# Altium PCB BMS_BoardHardware_V2.PcbDoc
Units mm, origin at the board's own origin, x right, y up, seen from the top; angles counter-clockwise.
Board outline 100 x 65.6 mm, 4 copper layers (Top Layer, Internal Plane 1, Internal Plane 2, Bottom Layer), stack 0.462 mm thick; 60 components, 42 nets, 229 pads, 25 vias.
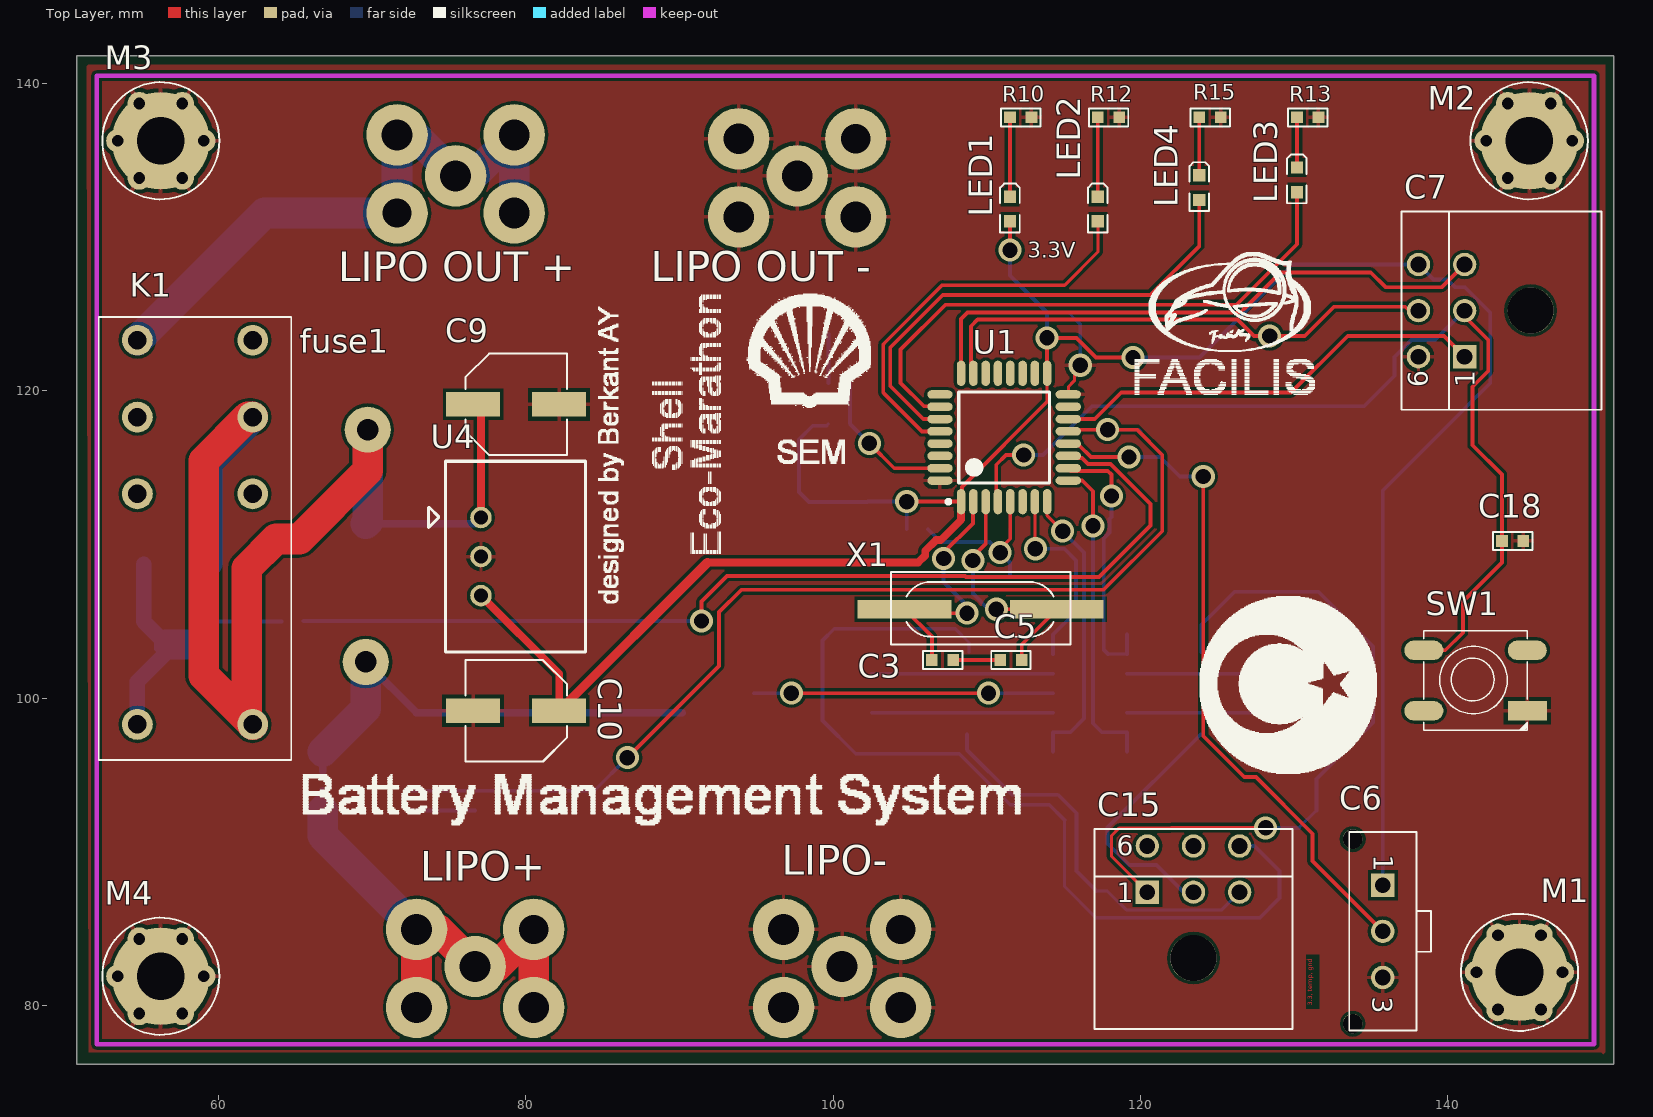
[diagram p0: Top Layer view]
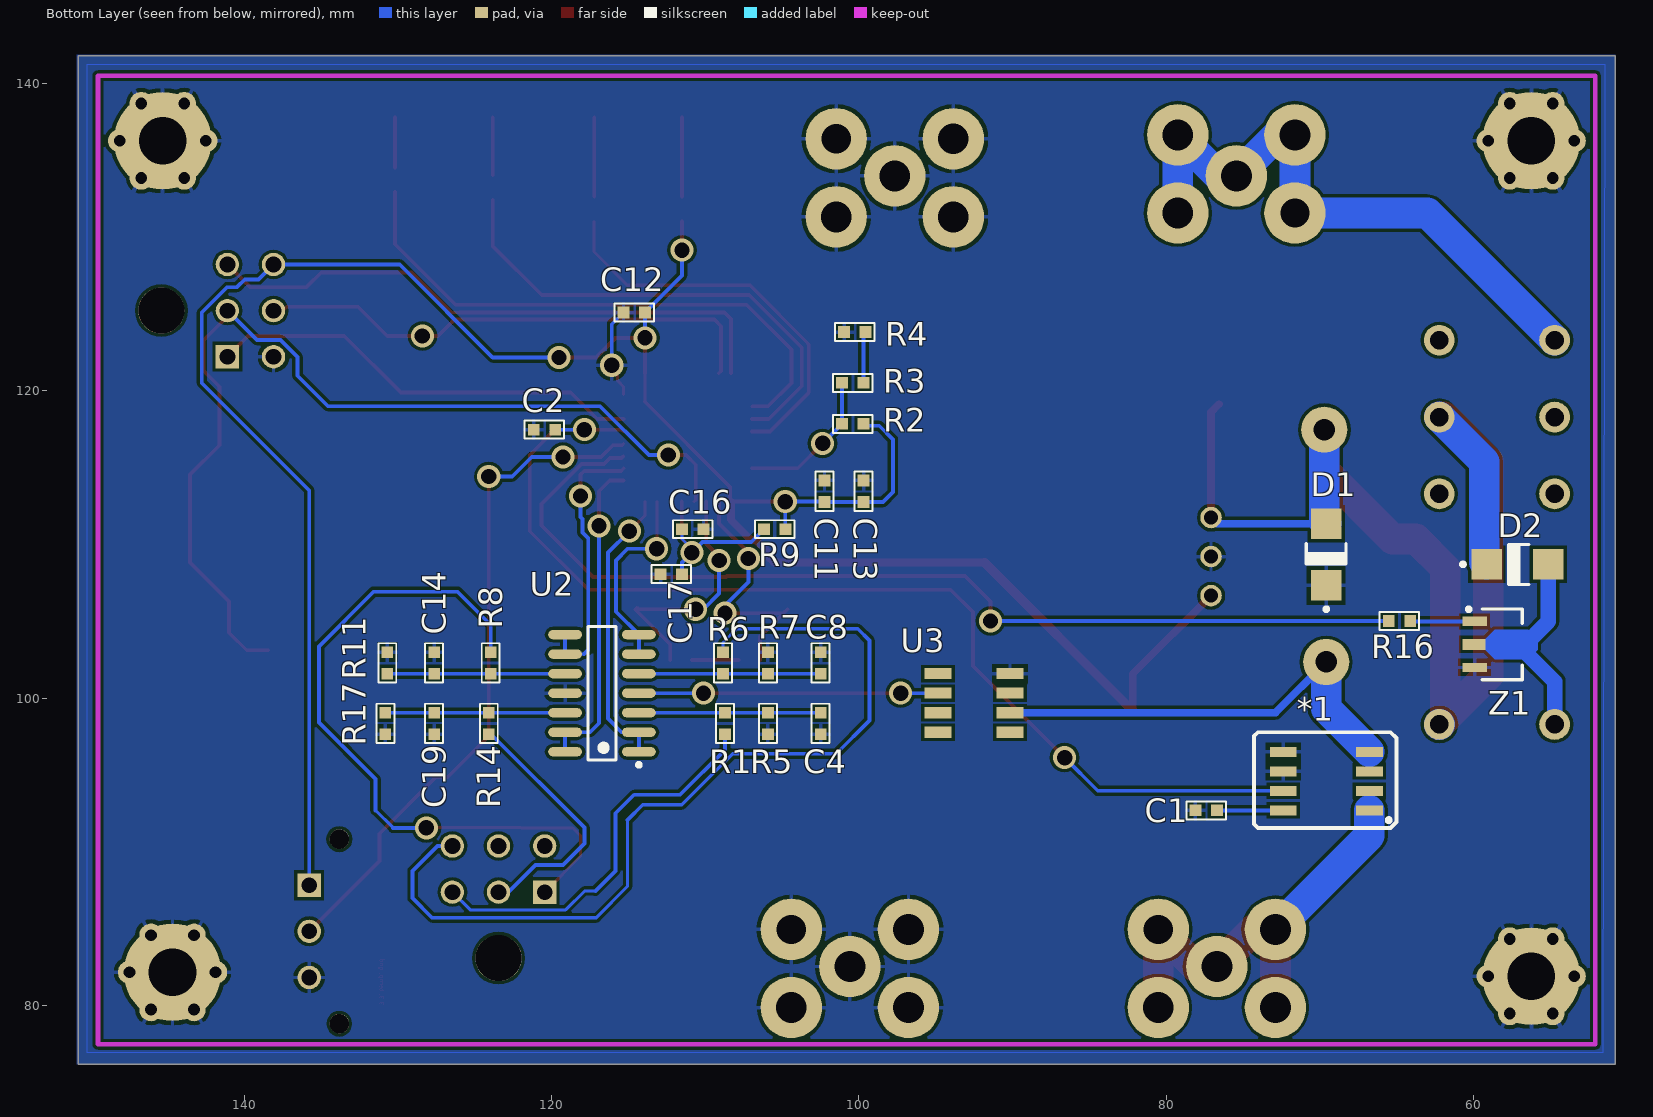
[diagram p1: Bottom Layer view, seen from below]
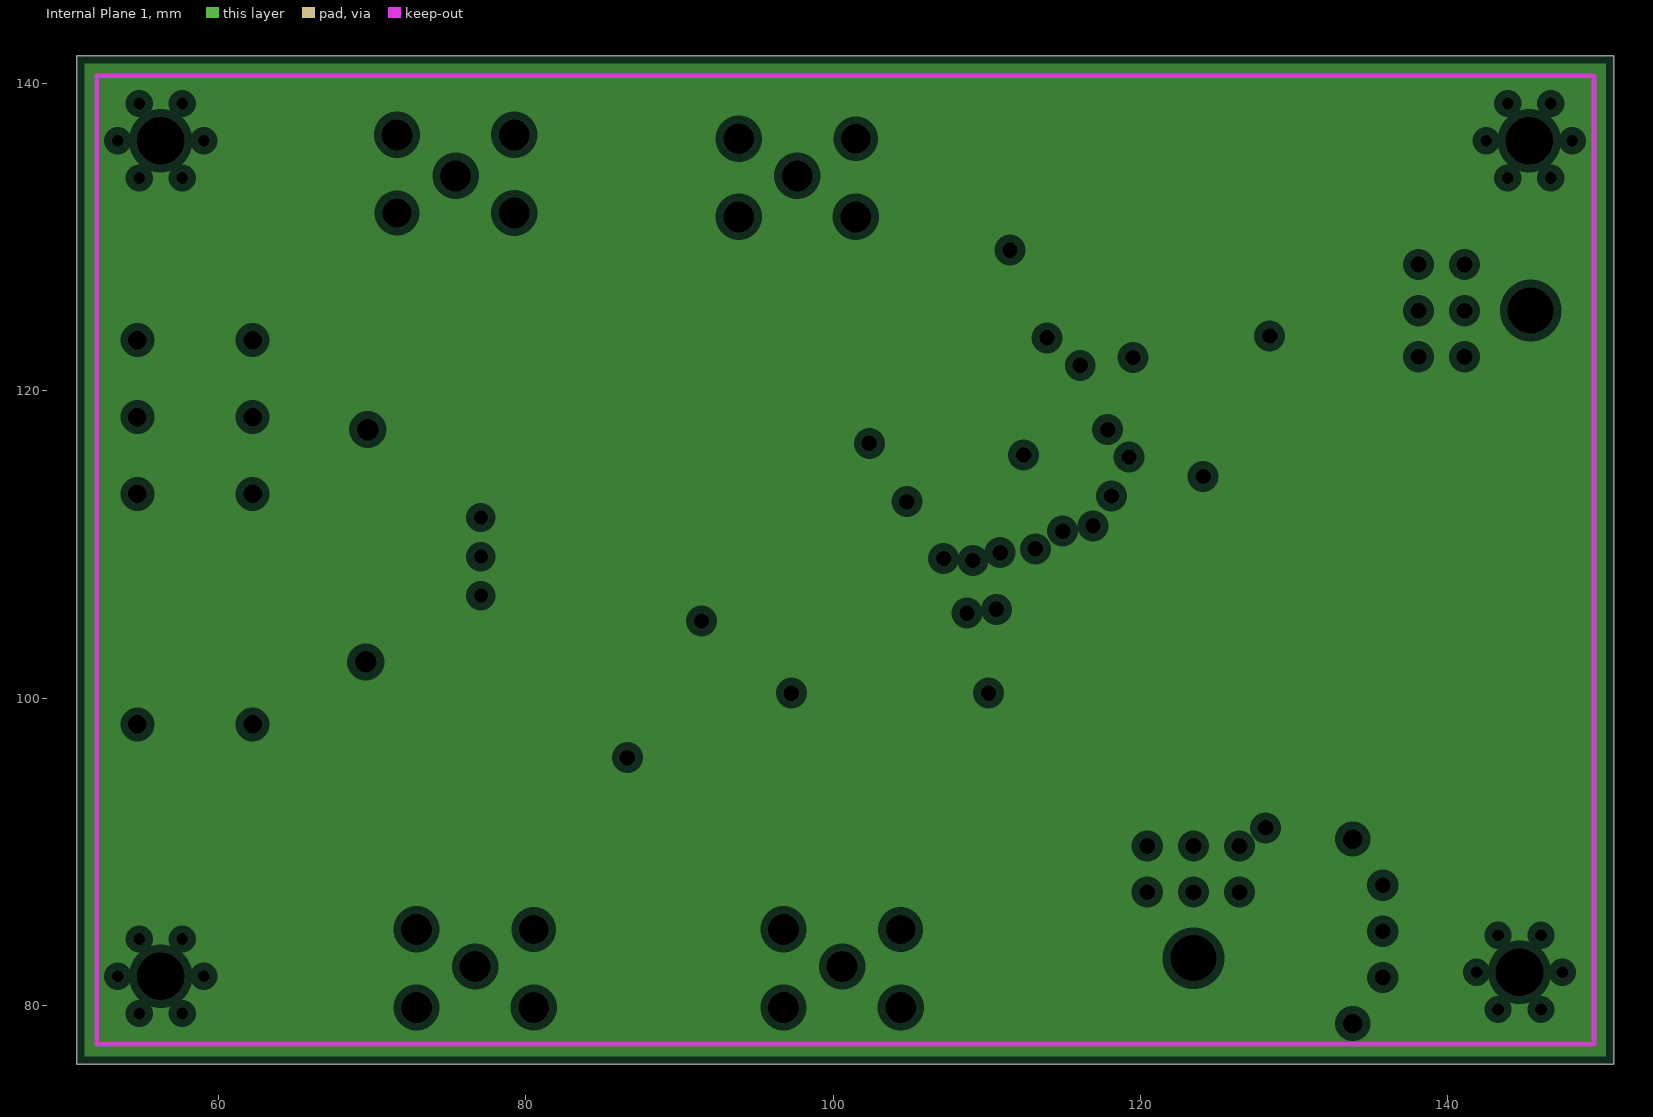
[diagram p2: Internal Plane 1, clearances drawn from the general rule]
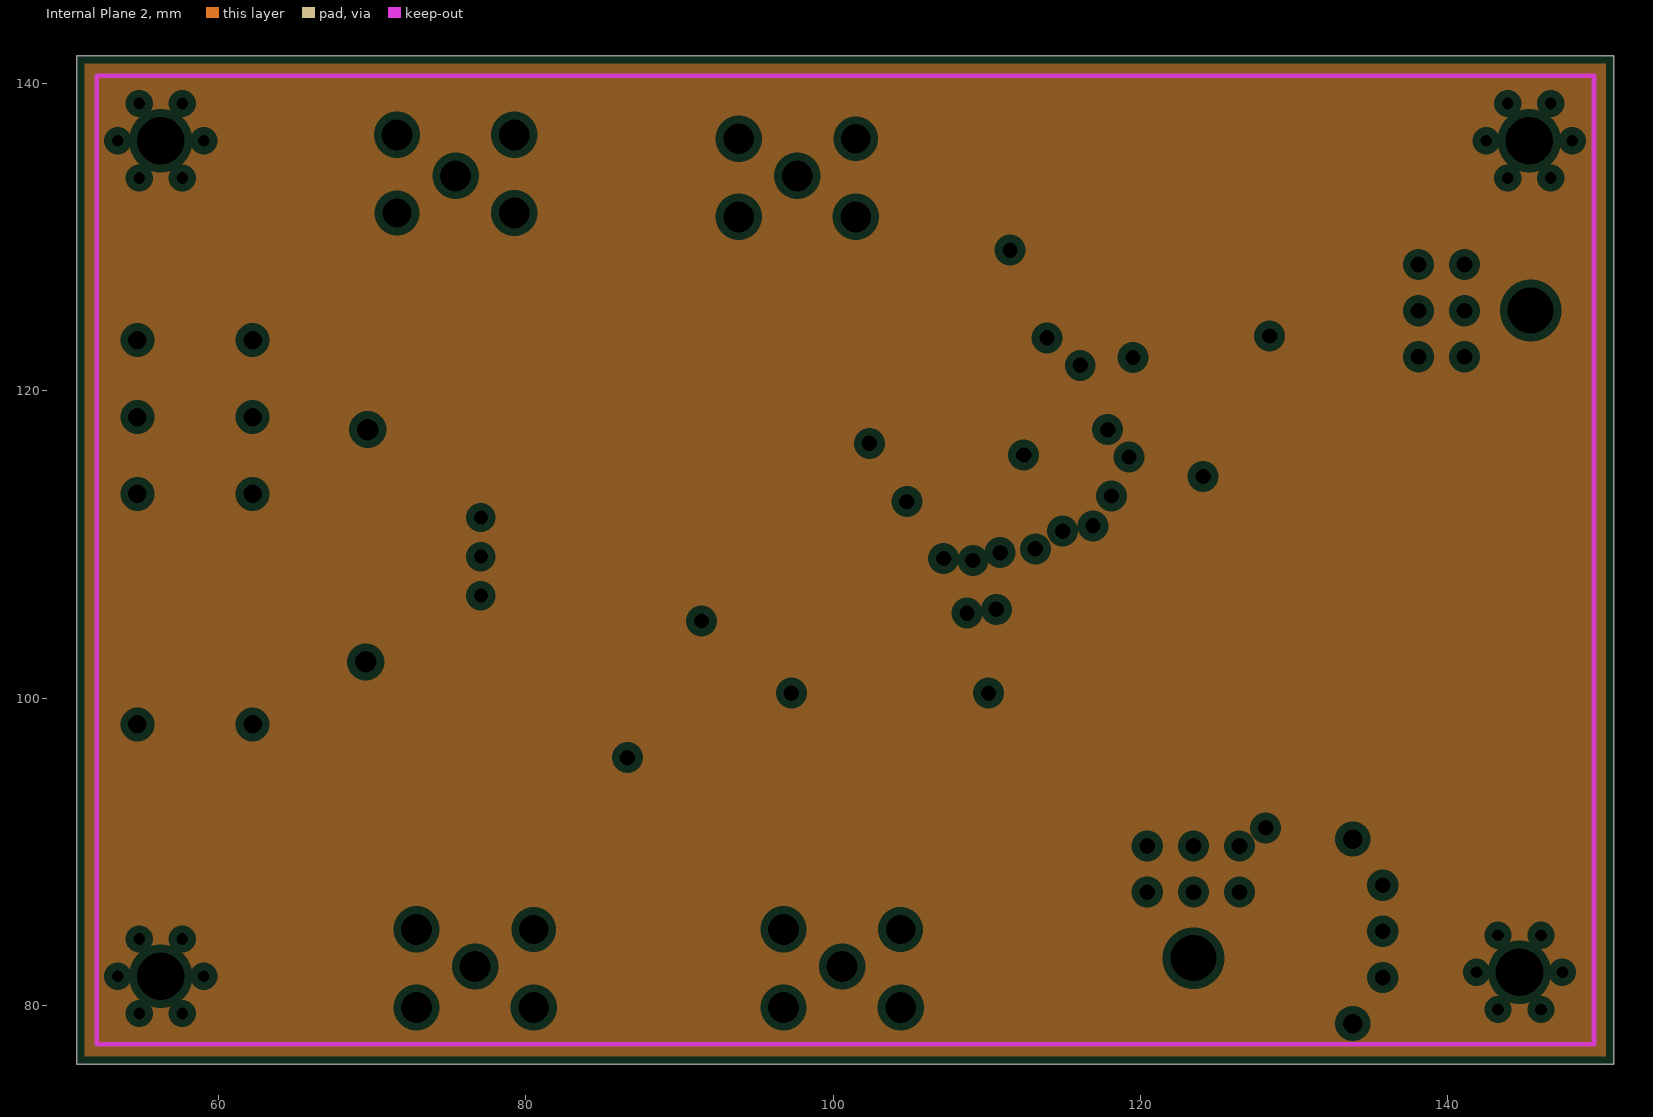
[diagram p3: Internal Plane 2, clearances drawn from the general rule]
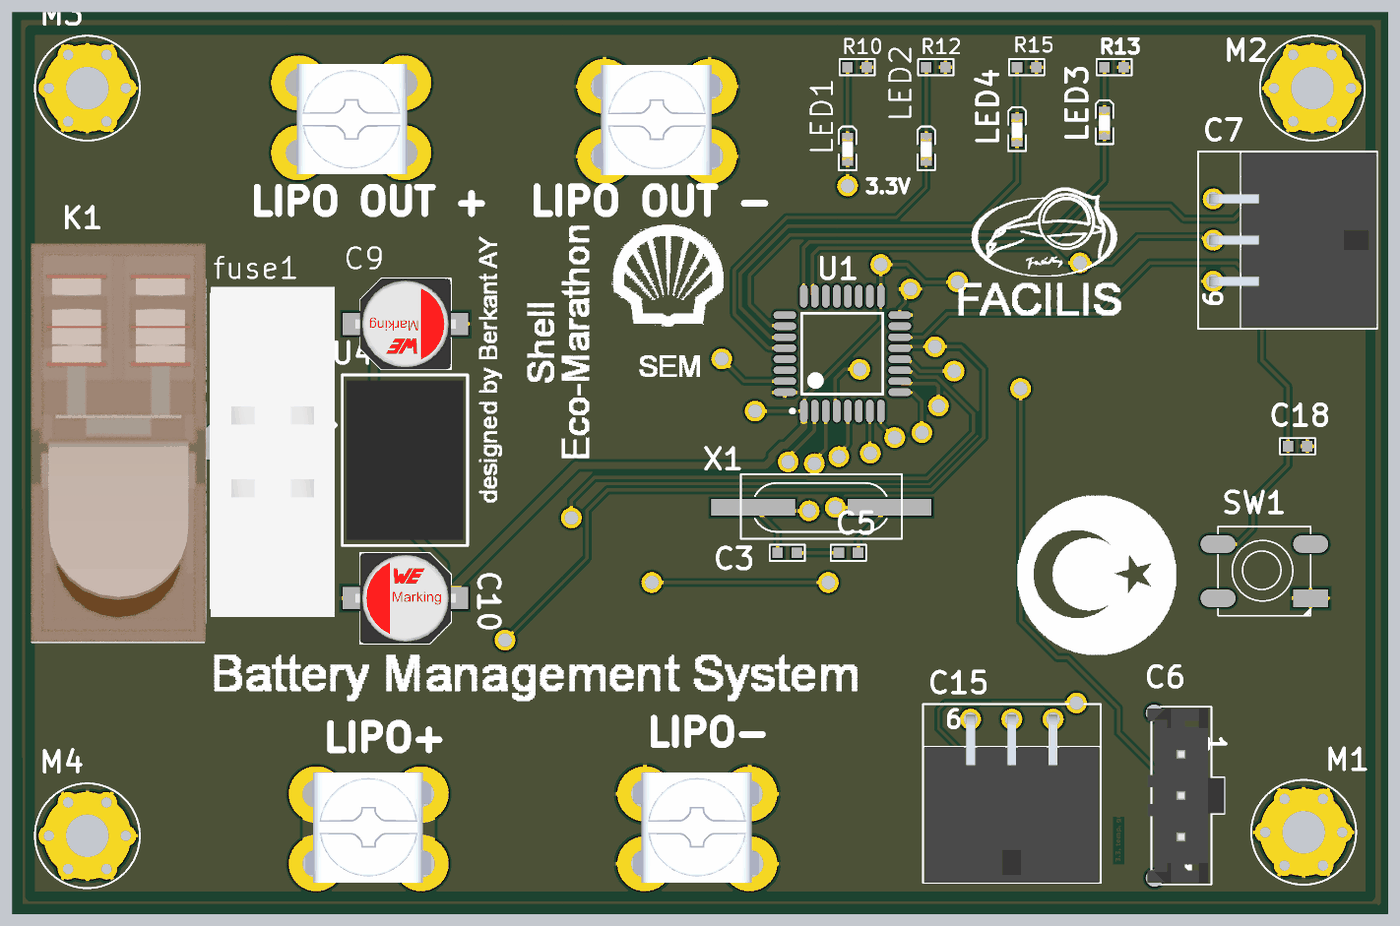
[diagram p4: 3D render of the assembled board from above, using the file's embedded part models]

## Layer stack, top to bottom
Top Solder: solder mask 0.0102, Solder Resist, Dk 3.5
Top Layer: signal copper 0.0356
Internal Plane 1: plane copper 0.0356
Internal Plane 2: plane copper 0.0356
Dielectric 1: dielectric 0.32, FR-4, Dk 4.8
Bottom Layer: signal copper 0.0356
Bottom Solder: solder mask 0.0102, Solder Resist, Dk 3.5

## Board outline
50.8,76.2 150.8,76.2 150.8,141.8 50.8,141.8

## Design rules (kind name [scope] priority, off if disabled: settings)
Clearance [All] p1: gap=0.2
HoleSize [All] p1: absolutevalues=TRUE maxlimit=5 minlimit=0.025 maxpercent=80.000 minpercent=20.000
MinimumSolderMaskSliver [All] p1: minsoldermaskwidth=0
PlaneClearance [All] p1: clearance=0.508
PlaneConnect [All] p1: planeconnectstyle=Relief reliefexpansion=0.508 reliefentries=4 reliefconductorwidth=0.254 reliefairgap=0.254
PolygonConnect [All] p1: connectstyle=Relief reliefconductorwidth=0.254 reliefentries=4 polygonreliefangle="90 Angle" airgapwidth=0.254
RoutingVias [All] p1: holewidth=0.4 width=0.5 viastyle="Through Hole" minholewidth=0.4 minwidth=0.5 maxholewidth=0.4 maxwidth=0.5
SilkToSilkClearance [All] p1: silktosilkclearance=0
SilkToSolderMaskClearance [IsPad] p1: minsilkscreentomaskgap=0 clearancetoexposedcopper=TRUE
SolderMaskExpansion [All] p1: expansion=0.102
Width [All] p1: maxlimit=2 minlimit=0.2 preferedwidth=0.2
24 further rules are at their usual default settings.

## Components (designator, comment, footprint, x,y, rotation, side; value= is the part's Value field where it differs from the comment)
*1 "ACS722" PCBComponent_1 72.39,92.71 r90 bottom
C1 "100nF" 0603C-GENERIC 76.708,92.71 r0 bottom
C2 "10nF" 0603C-GENERIC 119.761,117.475 r0 bottom
C3 "27pF" 0603C-GENERIC 106.426,102.489 r0 top
C4 "100pF" 0603C-GENERIC 102.489,99.06 r270 bottom
C5 "27pF" 0603C-GENERIC 112.268,102.489 r180 top
C6 "" 66200311122 135.763,84.836 r270 top
C7 "" 66200621022 141.732,125.222 r90 top
C8 "100pF" 0603C-GENERIC 102.489,101.6 r90 bottom
C9 "330 μF" "WCAP-PSLP 6.3x5.8x2.2" 79.375,119.126 r0 top
C10 "330 μF" "WCAP-PSLP 6.3x5.8x2.2" 79.375,99.187 r180 top
C11 "100nF" 0603C-GENERIC 102.235,112.776 r90 bottom
C12 "100nF" 0603C-GENERIC 113.919,125.095 r0 bottom
C13 "4u7" 0603C-GENERIC 99.695,112.776 r90 bottom
C14 "100pF" 0603C-GENERIC 127.635,101.6 r90 bottom
C15 "" 66200621022 123.444,86.741 r0 top
C16 "10nF" 0603C-GENERIC 111.506,110.998 r180 bottom
C17 "1uF" 0603C-GENERIC 111.506,108.077 r0 bottom
C18 "100nF" 0603C-GENERIC 143.51,110.236 r0 top
C19 "100pF" 0603C-GENERIC 127.635,99.06 r270 bottom
D1 "SURA8240T3G" ONSC-SMA-2-403D-02_V 69.596,109.347 r90 bottom
D2 "SURA8240T3G" ONSC-SMA-2-403D-02_V 57.15,108.712 r180 bottom
fuse1 "fuse" fuse 68.834,108.331 r90 top
K1 "" RELAY 54.737,98.298 r90 top
LED1 "" LED_0603_Green 111.506,131.826 r90 top
LED2 "" LED_0603_Red 117.221,131.826 r90 top
LED3 "150060BS75000" LED_0603_Blue 130.175,133.731 r90 top
LED4 "150060YS75000" LED_0603_Yellow 123.825,133.223 r90 top
"LIPO OUT +" "" 74722015 71.628,131.572 r0 top (schematic designator J3)
"LIPO OUT -" "" 74722015 101.473,136.398 r180 top (schematic designator J4)
LIPO+ "" 74722015 80.518,84.963 r180 top (schematic designator J1)
LIPO- "" 74722015 104.394,84.963 r180 top (schematic designator J2)
M1 "M" MOUNTING 144.653,82.169 r0 top
M2 "M" MOUNTING 145.288,136.271 r0 top
M3 "M" MOUNTING 56.261,136.271 r0 top
M4 "M" MOUNTING 56.261,81.915 r0 top
R1 "33K" 0603R-33K 108.712,97.663 r90 bottom
R2 "10K" 0603R-10K 99.695,117.856 r0 bottom
R3 "330R" 0603R-330 101.092,120.523 r180 bottom
R4 "0R" 0603R-0R 99.568,123.825 r0 bottom
R5 "2K2" 0603R-2K2 105.918,97.663 r90 bottom
R6 "33K" 0603R-33K 108.839,102.997 r270 bottom
R7 "2K2" 0603R-2K2 105.918,102.997 r270 bottom
R8 "33K" 0603R-33K 123.952,102.997 r270 bottom
R9 "0603R-000" 0603R-GENERIC 106.172,110.998 r180 bottom
R10 "220R" 0603R-220 111.506,137.795 r0 top
R11 "2K2" 0603R-2K2 130.683,102.997 r270 bottom
R12 "220R" 0603R-220 117.221,137.795 r0 top
R13 "220R" 0603R-220 130.175,137.795 r0 top
R14 "33K" 0603R-33K 124.079,97.663 r90 bottom
R15 "220R" 0603R-220 123.825,137.795 r0 top
R16 "2K2" 0603R-2K2 65.532,105.029 r180 bottom
R17 "2K2" 0603R-2K2 130.81,97.663 r90 bottom
SW1 "" SW-PB-SMD 145.161,99.187 r180 top
U1 "STM32F030K6T6" STM-LQFP32_N 111.125,116.967 r90 top
U2 "LM324AM" M14A_N 116.713,100.33 r0 bottom
U3 "MAX6177AASA+" MAX6177AASA+ 90.17,97.79 r90 bottom
U4 "#NAME?" WE-FDSM 77.089,111.76 r270 top
X1 "16MC" XTAL-RU49/4 104.648,105.791 r0 top
Z1 "Mosfet" NXP-SOT89_A_M 58.293,103.505 r180 bottom

## Footprints (in the part's own frame and the unit in brackets; to place one, negate y for a bottom-side part, rotate by r counter-clockwise, add the part's x,y. Pads: shape width x height; smd on the part's side, far side on the other; paste and mask are expansions set on the pad)
0603C-GENERIC [mil]
  rect 30x30 smd: 1(0,0) 2(55,0)
  silkscreen extent -23,-23 78,23, body extent -4,-15 59,15, height 19
0603R-0R [mil]
  rect 30x30 smd: 1(0,0) 2(55,0)
  silkscreen extent -23,-23 78,23, body extent -4,-15 59,15, height 20
0603R-2K2 [mil]
  rect 30x30 smd: 1(0,0) 2(55,0)
  silkscreen extent -23,-23 78,23, body extent -4,-15 59,15, height 20
0603R-10K [mil] "RESISTOR 0603"
  rect 30x30 smd: 1(0,0) 2(55,0)
  silkscreen extent -23,-23 78,23, body extent -4,-15 59,15, height 20
0603R-33K [mil]
  rect 30x30 smd: 1(0,0) 2(55,0)
  silkscreen extent -23,-23 78,23, body extent -4,-15 59,15, height 20
0603R-220 [mil] "RESISTOR 0603"
  rect 30x30 smd: 1(0,0) 2(55,0)
  silkscreen extent -23,-23 78,23, body extent -4,-15 59,15, height 20
0603R-330 [mil]
  rect 30x30 smd: 1(0,0) 2(55,0)
  silkscreen extent -23,-23 78,23, body extent -4,-15 59,15, height 20
0603R-GENERIC [mil] "RESISTOR 0603"
  rect 30x30 smd: 1(0,0) 2(55,0)
  silkscreen extent -23,-23 78,23, body extent -4,-15 59,15, height 19
74722015 [mm]
  round 4 hole 1.9: 1(0,0)
  round 4 hole 2: 1(0,5.08) 1(3.81,2.413) 1(7.62,0) 1(7.62,5.08)
  body extent -0.7,-1.55 8.42,6.45, height 8.86
66200311122 [mm] "Single row Vertical header 03p"
  rect 1.52x1.52 hole 1.02: 1(-3,0)
  round 1.52 hole 1.02: 2(0,0) 3(3,0)
  round 1.27 hole 1.27 unplated: ""(-6,-1.96) ""(6,-1.96)
  silkscreen extent -6.45,-2.18 6.45,3.12, body extent -6.32,-2.45 6.33,3.12, height 9.9
66200621022 [mm] "Dual row Right angle header With plastic peg 06p"
  rect 1.52x1.52 hole 1.02: 1(-3,0.65)
  round 1.52 hole 1.02: 2(0,0.65) 3(3,0.65) 4(3,3.65) 5(0,3.65) 6(-3,3.65)
  round 3 hole 3 unplated: ""(0,-3.65)
  silkscreen extent -6.45,-8.25 6.45,4.75, body extent -6.35,-8.25 6.35,3.97, height 8.78
fuse [mm]
  round 3 hole 1.4: 1(-5.969,-0.762) 2(9.144,-0.889)
  body extent -10.51,-5.41 13.49,3.68, height 12.96
LED_0603_Blue [mm] "Chip LED, 2-Leads, Body 1.6x0.8mm, IPC Medium Density"
  rect 0.8x0.8 smd: 1(-0.8,0) 2(0.8,0)
  silkscreen extent -1.52,-0.64 1.65,0.64, body extent -0.8,-0.4 0.8,0.4, height 0.7
LED_0603_Green [mm] "Chip LED, 2-Leads, Body 1.6x0.8mm, IPC Medium Density"
  rect 0.8x0.8 smd: 1(-0.8,0) 2(0.8,0)
  silkscreen extent -1.52,-0.64 1.65,0.64, body extent -0.8,-0.4 0.8,0.4, height 0.7
LED_0603_Red [mm] "Chip LED, 2-Leads, Body 1.6x0.8mm, IPC Medium Density"
  rect 0.8x0.8 smd: 1(-0.8,0) 2(0.8,0)
  silkscreen extent -1.52,-0.64 1.65,0.64, body extent -0.8,-0.4 0.8,0.4, height 0.7
LED_0603_Yellow [mm] "Chip LED, 2-Leads, Body 1.6x0.8mm, IPC Medium Density"
  rect 0.8x0.8 smd: 1(-0.8,0) 2(0.8,0)
  silkscreen extent -1.52,-0.64 1.65,0.64, body extent -0.8,-0.4 0.8,0.4, height 0.7
M14A_N [mm] "SOIC, 14-Leads, Body 8.6x3.9mm, Pitch 1.27mm, IPC Medium Density"
  oval 2.2x0.6 smd: 1(-2.4,3.81) 2(-2.4,2.54) 3(-2.4,1.27) 4(-2.4,0) 5(-2.4,-1.27) 6(-2.4,-2.54) 7(-2.4,-3.81) 8(2.4,-3.81) 9(2.4,-2.54) 10(2.4,-1.27) 11(2.4,0) 12(2.4,1.27) 13(2.4,2.54) 14(2.4,3.81)
  silkscreen extent -2.52,-4.35 0.9,4.78, body extent -2,-4.37 2,4.37, height 1.75
MAX6177AASA+ [mm]
  rect 0.72x1.78 smd: 1(0,0) 2(1.27,0) 3(2.54,0) 4(3.81,0) 5(3.81,4.68) 6(2.54,4.68) 7(1.27,4.68) 8(0,4.68)
  body extent -0.6,-0.71 4.4,5.53, height 1.75
MOUNTING [mil]
  round 250 hole 122.05: 1(0,0)
  round 60 hole 30: 2(-55,95.26) 3(55,95.26) 4(110,0) 5(55,-95.26) 6(-55,-95.26) 7(-110,0)
  silkscreen extent -150,-150 150,150
NXP-SOT89_A_M [mm] "SOT89, 3-Leads, Body 4.6x2.6mm, Pitch 1.5mm, IPC Low Density"
  rect 1.6x0.6 smd: 1(-1.65,1.5) 3(-1.65,-1.5)
  rect 1.5x0.7 smd: 2(-1.7,0)
  Top Layer region: -0.95,0.35 -0.35,0.95 1.85,0.95 2.45,0.35 2.45,-0.35 1.85,-0.95 -0.35,-0.95 -0.95,-0.35
  silkscreen extent -2.16,-2.3 1.45,2.41, body extent -1.15,-2.3 1.45,2.3, height 1.6
ONSC-SMA-2-403D-02_V [mm] "Molded, 2-Leads, Body 4.57x2.92mm"
  rect 2x2 smd: 1(-2,0) 2(2,0)
  silkscreen extent -3.67,-1.3 0.74,1.3, body extent -2.16,-1.3 2.16,1.3, height 2.2
PCBComponent_1 [mm]
  rect 0.65x1.75 smd: 1(0,-5.6) 2(1.27,-5.6) 3(2.54,-5.6) 4(3.81,-5.6) 5(3.81,0) 6(2.54,0) 7(1.27,0) 8(0,0)
  silkscreen extent -1.14,-7.37 5.08,1.91, body extent -0.59,-5.89 4.41,0.31, height 1.75
RELAY [mm]
  round 2 hole 1.2: 1(0,0) 2(15,0) 3(20,0) 4(25,0) 5(25,-7.5) 6(20,-7.5) 7(15,-7.5) 8(0,-7.5)
  silkscreen extent -2.3,-10.01 26.5,2.51, body extent -2.29,-10.16 26.67,2.57, height 24.96
STM-LQFP32_N [mm] "QFP, 32-Leads, Body 7x7mm, Pitch 0.8mm, IPC Medium Density"
  oval 1.65x0.55 smd: 1(-4.175,2.8) 2(-4.175,2) 3(-4.175,1.2) 4(-4.175,0.4) 5(-4.175,-0.4) 6(-4.175,-1.2) 7(-4.175,-2) 8(-4.175,-2.8) 17(4.175,-2.8) 18(4.175,-2) 19(4.175,-1.2) 20(4.175,-0.4) 21(4.175,0.4) 22(4.175,1.2) 23(4.175,2) 24(4.175,2.8)
  oval 0.55x1.65 smd: 9(-2.8,-4.175) 10(-2,-4.175) 11(-1.2,-4.175) 12(-0.4,-4.175) 13(0.4,-4.175) 14(1.2,-4.175) 15(2,-4.175) 16(2.8,-4.175) 25(2.8,4.175) 26(2,4.175) 27(1.2,4.175) 28(0.4,4.175) 29(-0.4,4.175) 30(-1.2,4.175) 31(-2,4.175) 32(-2.8,4.175)
  silkscreen extent -4.3,-2.95 2.95,3.75, body extent -3.5,-3.5 3.5,3.5, height 1.6
SW-PB-SMD [mil]
  rect 100x50 smd: 1(0,0)
  oval 100x50 smd: 2(265,-155) 3(0,-155) 4(265,0)
  silkscreen extent 0,-205 265,50, body extent -28,-206 297,50, height 140
"WCAP-PSLP 6.3x5.8x2.2" [mm] "Polarized capacitors, Aluminum Polymer Capacitors, 2-Leads, Body 6.3x5.8x2.2"
  rect 3.5x1.6 smd: 1(-2.8,0) 2(2.8,0)
  silkscreen extent -3.3,-3.3 3.3,3.3, body extent -3.65,-3.3 3.65,3.3, height 5.75
WE-FDSM [mm]
  round 1.4 hole 0.9: 1(0,0) 2(2.54,0) 3(5.08,0)
  silkscreen extent -3.66,-3.4 8.74,6.8, body extent -3.26,-2 8.34,6.5, height 10.5
XTAL-RU49/4 [mil]
  rect 240x47.24 smd: 1(0,0) 2(390,0)
  silkscreen extent -35,-90 425,95, body extent -78,-90 468,95, height 120

## Part data
C1 C11 C12: library part 0603C-100NF-25V-X7R-TDK, "CAPACITOR 0603 CERAMIC"
C2 C16: library part 0603C-10NF-50V-X7R-MUR, "CAPACITOR 0603 CERAMIC"
C3 C5: library part 0603C-27pF, "CAPACITOR 0603 CERAMIC"
C4 C8 C14 C19: library part 0603C-100PF-50V-NP0-AVX, "CAPACITOR 0603 CERAMIC"
C6: library part "WE-3.00 mm Micro Power Connector 66200311122", "WR-MPC3 3.00 mm Male Single Row Vertical Header"
C7 C15: library part "WE-3.00 mm Micro Power Connector 66200621022", "WR-MPC3 3.00 mm Male Dual Row Angled Header with Plastic Pegs"
C9 C10: library part "WCAP-PSLP 6.3x5.8x2.2 875105144010", "WCAP-PSLP Aluminum Polymer Capacitors , 330 µF; + / - 20%; 6,3 V , 6,3 x 5,8"
C13: library part 0603C-4U7-6V3-X5R-KEM, "CAPACITOR 0603 CERAMIC"
C17: library part 0603C-1UF-10V-X5R-TDK, "CAPACITOR 0603 CERAMIC"
C18: library part 0603C-100NF-50V-X7R-TDK, "CAPACITOR 0603 CERAMIC"
D1 D2: "Surface Mount Ultrafast Power Rectifier, 2-Pin SMA, Pb-Free, Tape and Reel"
K1: library part G2RL-1A-12V
LED1: library part "WL-SMCW 0603  150060GS75000", "SMD mono-color Chip LED, WL-SMCW, Green"
LED2: library part "WL-SMCW 0603  150060RS75000", "SMD mono-color Chip LED, WL-SMCW, Red"
LED3: library part "WL-SMCW 0603  150060BS75000", "SMD mono-color Chip LED, WL-SMCW, Blue"
LED4: library part "WL-SMCW 0603  150060YS75000", "SMD mono-color Chip LED, WL-SMCW, Yellow"
"LIPO OUT +" "LIPO OUT -" LIPO+ LIPO-: library part 74722015, "74722015"
M1 M2 M3 M4: library part MOUNTING, "MOUNTING HOLE - NON INSTALLABLE"
R1 R6 R8 R14: library part 0603R-33K, "GENERIC RESISTOR 0603"
R2: library part 0603R-10K, "GENERIC RESISTOR 0603"
R3: library part 0603R-330, "GENERIC RESISTOR 0603"
R4: library part 0603R-0R, "GENERIC JUMPER 0603"
R5 R7 R11 R16 R17: library part 0603R-2K2, "GENERIC RESISTOR 0603"
R9: "GENERIC RESISTOR 0603"
R10 R12 R13 R15: library part 0603R-220, "GENERIC RESISTOR 0603"
SW1: library part SW-PB-BLACK-SMD, "PUSHBUTTON SWITCH 6MM SMD"
U1: "ARM Cortex-M0 32-bit MCU, 32 KB Flash, 4 KB Internal RAM, 26 I/Os, 32-pin LQFP, -40 to 85 degC, Tray"
U2: "Low Power Quad Operational Amplifier, 14-pin Narrow SOIC"
U4: library part "WE-FDSM , 173950378", "MagI³C-FDSM Fixed Step Down Regulator Module WE-FDSM , Vin=6V-28V"
X1: library part 16MC-HC49US, "16MHZ CRSYTAL HC49US"
Z1: library part Z

## Via types
v1: diameter 1.5, hole 1, Top Layer to Bottom Layer, 25 vias

## Nets (pads, with @x,y where several pads share a name; then routed paths per layer and width w, separated by ;. In a path a pad name is that pad's centre, name@x,y a point inside that pad or via, vN(x,y) a via of type N, cw(c..) or ccw(c..) an arc to the next point about the centre after c; other vN are vias at no path point)
3.3V: C6.1 C7.4 C10.1 C11.1 C12.1 C13.1 LED1.1 R2.1 R9.2 U1.1 U1.17 U4.3 | length 155.6
  Top Layer w0.2: v1@104.775,112.776 v1(104.791,112.792) ; U1.17@113.919,121.148 U1.17 113.925,119.292
  Top Layer w0.25: v1(104.791,112.792) U1.1 108.39,112.857 108.39,113.756 113.925,119.292 ; v1(111.506,129.159) LED1.1 ; U1.17@113.919,121.148 v1(113.919,123.444) 115.824,123.444 117.094,122.174 v1(119.507,122.174) v1@119.507,122.047
  Top Layer w0.5: U4.3 82.175,101.594 C10.1 ; 91.827,108.839 105.537,108.839 105.988,109.29 105.988,109.59 106.691,110.293 106.991,110.293 108.325,111.627 U1.1
  Top Layer w0.6: C10.1 91.827,108.839
  Bottom Layer w0.2: R2.1@99.568,117.729 R2.1 ; C11.1 C11.1@102.251,112.792 ; R9.2 R9.2@104.791,111.014
  Bottom Layer w0.25: R2.1@99.568,117.729 98.679,117.729 97.79,116.84 97.79,113.411 98.425,112.776 C13.1 C11.1 ; C11.1@102.251,112.792 v1(104.791,112.792) R9.2@104.791,111.014 ; v1(111.506,129.159) 111.506,127.508 C12.1 v1(113.919,123.444) ; v1(119.507,122.174) 123.825,122.174 129.873,128.222 C7.4 139.05,127.254 139.954,127.254 140.462,126.746 141.092,126.746 142.748,125.09 142.748,120.523 135.763,113.538 C6.1
3.3VREF: U2.4 U3.6 | length 19.5
  Top Layer w0.25: v1(97.282,100.33) v1(110.109,100.33)
  Bottom Layer w0.25: U3.6 v1(97.282,100.33) ; v1(110.109,100.33) U2.4
BOOT: R2.2 R3.1 U1.31 | length 9.7
  Top Layer w0.25: v1(102.362,116.586) 103.981,114.967 U1.31
  Bottom Layer w0.25: R3.1 R2.2 v1(102.362,116.586)
CR1: C3.1 U1.2 X1.1 | length 16.9
  Top Layer w0.2: U1.2@109.093,112.76 U1.2
  Top Layer w0.25: C3.1 106.426,104.013 X1.1 104.902,105.537 v1(108.712,105.537) ; v1(107.188,109.093) 107.188,109.474 109.093,111.379 U1.2@109.093,112.76
  Bottom Layer w0.25: v1(107.188,109.093) 107.188,107.569 108.712,106.045 v1(108.712,105.537)
CR2: C5.1 U1.3 X1.2 | length 16.6
  Top Layer w0.2: X1.2@114.3,105.791 114.427,105.918 X1.2
  Top Layer w0.25: v1(109.093,108.966) 109.093,109.216 109.925,110.048 U1.3 ; v1(110.617,105.791) X1.2@114.3,105.791 ; C5.1 112.268,103.505 X1.2
  Bottom Layer w0.25: v1(109.093,108.966) 109.093,106.807 110.109,105.791 v1(110.617,105.791)
GND: "LIPO OUT -.1" *1.5 *1.6 C1.2 C2.2 C4.2 C6.3 C7.6 C8.2 C9.2 C10.2 C11.2 C12.2 C13.2 C14.2 C16.2 C17.2 C18.2 C19.2 D1.1 LIPO-.1 M1.1 M1.2 M1.3 M1.4 M1.5 M1.6 M1.7 M2.1 M2.2 M2.3 M2.4 M2.5 M2.6 M2.7 M3.1 M3.2 M3.3 M3.4 M3.5 M3.6 M3.7 M4.1 M4.2 M4.3 M4.4 M4.5 M4.6 M4.7 R4.2 R5.1 R7.1 R10.2 R11.1 R12.2 R13.2 R15.2 R17.1 SW1.1 U1.16 U1.32 U2.11 U3.4 U4.2 Z1.3 | length 6
  Top Layer w0.2: U1.16 115.3,120.253 115.697,120.65 115.697,121.285 v1(116.078,121.666)
  Bottom Layer w0.2: C12.2 116.078,124.333 v1(116.078,121.666)
HIGHTEMP: LED4.1 U1.27 | length 32.5
  Top Layer w0.25: U1.27 105.861,118.167 103.715,120.313 103.715,122.823 107.13,126.238 120.631,126.238 123.825,129.432 LED4.1
I_SENSOR: *1.7 C2.1 U1.13 | length 72.1
  Top Layer w0.2: U1.13 U1.13@115.345,117.411
  Top Layer w0.25: v1(86.614,96.139) 92.583,102.108 92.583,105.606 94.038,107.061 117.602,107.061 121.412,110.871 121.412,115.824 119.761,117.475 v1(117.856,117.475) 115.408,117.475 U1.13@115.345,117.411
  Bottom Layer w0.25: *1.7 84.455,93.98 v1(86.614,96.139) ; v1(117.856,117.475) 119.888,117.475 C2.1@120.015,117.348
LV: LED3.1 U1.26 | length 37.4
  Top Layer w0.2: U1.26@106.918,118.999 U1.26
  Top Layer w0.25: U1.26@106.918,118.999 105.918,118.999 104.394,120.523 104.394,122.682 107.315,125.603 126.238,125.603 130.175,129.54 LED3.1
Net*1_8: *1.8 C1.1 | length 4.3
  Bottom Layer w0.25: *1.8 C1.1
NetC3_2: C3.2 C5.2 | length 3
  Top Layer w0.25: C3.2 C5.2
NetC4_1: C4.1 R1.2 R5.2 U2.3 | length 11.8
  Bottom Layer w0.2: C4.1 R5.2
  Bottom Layer w0.25: R5.2 R1.2 U2.3
NetC8_1: C8.1 R6.2 R7.2 U2.5 | length 11.8
  Bottom Layer w0.25: C8.1 R7.2 R6.2 U2.5
NetC14_1: C14.1 R8.2 R11.2 U2.10 | length 11.6
  Bottom Layer w0.25: U2.10 R8.2 C14.1 R11.2
NetC19_1: C19.1 R14.2 R17.2 U2.12 | length 11.7
  Bottom Layer w0.25: U2.12 R14.2 C19.1 R17.2
NetD2_2: D2.2 K1.1 Z1.2 | length 12
  Bottom Layer w1: K1.1 54.737,101.092 56.896,103.251 55.15,104.997 D2.2
NetLED1_2: LED1.2 R10.1 | length 5.2
  Top Layer w0.25: LED1.2 R10.1
NetLED2_2: LED2.2 R12.1 | length 5.2
  Top Layer w0.25: LED2.2 R12.1
NetLED3_2: LED3.2 R13.1 | length 3.3
  Top Layer w0.25: LED3.2 R13.1
NetLED4_2: LED4.2 R15.1 | length 3.8
  Top Layer w0.25: LED4.2 R15.1
NetR3_2: R3.2 R4.1 | length 3.4
  Bottom Layer w0.2: R4.1 R4.1@99.695,123.698
  Bottom Layer w0.25: R3.2 R4.1@99.695,123.698
NetR16_2: R16.2 Z1.1 | length 4.2
  Bottom Layer w0.2: R16.2@64.111,105.005 R16.2
  Bottom Layer w0.25: Z1.1 R16.2@64.111,105.005
NRST: C7.2 C18.1 SW1.2 U1.4 | length 64.9
  Top Layer w0.2: U1.4@110.617,112.9 U1.4
  Top Layer w0.25: U1.4@110.617,112.9 110.617,115.189 111.252,115.824 v1(112.395,115.824) ; SW1.2 139.827,103.124 140.97,104.267 140.97,106.299 143.51,108.839 C18.1 143.51,114.554 141.605,116.459 141.605,120.269 142.621,121.285 142.621,123.317 141.082,124.856 C7.2 C7.2@141.351,125.222
  Bottom Layer w0.25: v1(112.395,115.824) 113.665,115.824 116.84,118.999 134.544,118.999 136.525,120.98 136.525,122.199 137.633,123.307 139.167,123.307 C7.2
OC: LED2.1 U1.28 | length 26.3
  Top Layer w0.2: 107.164,126.873 115.062,126.873 117.221,129.032 LED2.1
  Top Layer w0.25: U1.28 105.772,117.367 103.34,119.799 103.265,119.874 103.265,123.009 103.29,123.034 103.29,123.069 107.094,126.873 107.164,126.873
RELAY: R16.1 U1.11 | length 66.5
  Top Layer w0.2: U1.11 U1.11@115.37,115.697
  Top Layer w0.25: v1(91.44,105.029) 91.44,106.299 93.091,107.95 108.589,107.95 108.648,107.891 117.289,107.891 120.65,111.252 120.65,112.649 118.052,115.247 116.582,115.247 116.201,115.628 115.439,115.628 U1.11@115.37,115.697
  Bottom Layer w0.25: R16.1 v1(91.44,105.029)
SWCLK: C7.3 U1.24 | length 38.6
  Top Layer w0.2: 125.979,125.095 126.492,125.095 126.702,125.305
  Top Layer w0.25: U1.24 108.325,124.674 108.746,125.095 125.979,125.095 ; 126.702,125.305 129.108,127.711 134.976,127.711 135.941,126.746 139.606,126.746 C7.3
SWDIO: C7.5 U1.23 | length 33.8
  Top Layer w0.2: U1.23@108.966,121.301 U1.23 ; 137.211,125.476 137.465,125.222 C7.5
  Top Layer w0.25: U1.23@108.966,121.301 108.966,124.206 109.405,124.645 126.307,124.645 127.381,123.571 v1(128.397,123.571) 130.683,123.571 132.588,125.476 137.211,125.476
SWO: C7.1 U1.14 | length 28.6
  Top Layer w0.25: U1.14 117.024,118.167 118.745,119.888 129.794,119.888 133.477,123.571 139.733,123.571 C7.1
TEMP: C6.2 U1.12 | length 44.5
  Top Layer w0.2: U1.12 U1.12@115.408,116.459
  Top Layer w0.25: U1.12@115.408,116.459 116.007,116.459 116.769,115.697 v1(119.253,115.697) ; v1(124.079,114.427) 124.079,97.536 126.746,94.869 127.508,94.869 131.191,91.186 131.191,89.408 C6.2
  Bottom Layer w0.25: v1(119.253,115.697) 121.285,115.697 122.555,114.427 v1(124.079,114.427)
V1: C15.3 R1.1 | length 25.7
  Bottom Layer w0.2: 117.145,87.452 117.856,87.452 119.075,86.233 125.286,86.233 C15.3
  Bottom Layer w0.25: R1.1 108.712,96.647 111.633,93.726 114.619,93.726 115.824,92.521 115.824,88.773 117.145,87.452
V1_OUT: U1.8 U2.1 U2.2 | length 18.8
  Top Layer w0.2: U1.8 113.925,111.881 v1(114.935,110.871)
  Bottom Layer w0.2: U2.2 115.443,97.79
  Bottom Layer w0.25: U2.1 U2.2 ; v1(114.935,110.871) 116.332,109.474 116.332,98.679 115.443,97.79
V2: C15.4 R6.1 | length 59.2
  Bottom Layer w0.2: 107.95,104.521 108.839,103.632 R6.1 ; 115.062,92.075 115.062,87.757 117.094,85.725
  Bottom Layer w0.25: 107.95,104.521 100.076,104.521 99.314,103.759 99.314,98.552 101.473,96.393 108.204,96.393 111.525,93.072 114.065,93.072 115.062,92.075 ; 117.094,85.725 127.762,85.725 129.032,86.995 129.032,88.773 127.414,90.391 C15.4
V2_OUT: U1.7 U2.6 U2.7 | length 12.8
  Top Layer w0.2: U1.7 113.125,109.76 v1(113.157,109.728)
  Bottom Layer w0.25: v1(113.157,109.728) 115.043,109.728 115.805,108.966 115.805,105.632 U2.7 U2.6
V3: C15.1 R8.1 | length 46.2
  Top Layer w0.2: C15.1 118.11,89.725 118.11,91.059 118.618,91.567 121.971,91.567 ; 121.996,91.592 128.118,91.592 v1(128.143,91.567)
  Bottom Layer w0.2: 130.302,91.567 131.445,92.71
  Bottom Layer w0.25: R8.1 123.952,104.775 126.111,106.934 131.572,106.934 135.128,103.378 135.128,98.425 131.445,94.742 131.445,92.71 ; v1(128.143,91.567) 130.302,91.567
V3_OUT: U1.10 U2.8 U2.9 | length 17.5
  Top Layer w0.25: U1.10 115.47,114.797 117.866,114.797 118.11,114.553 v1(118.11,113.157)
  Bottom Layer w0.2: 117.894,102.87 U2.9
  Bottom Layer w0.25: 117.894,102.87 117.602,103.162 117.602,110.394 117.984,110.776 117.984,111.666 118.11,111.792 v1(118.11,113.157) ; U2.9 U2.8
V4: C15.2 R14.1 | length 16.7
  Bottom Layer w0.2: R14.1@123.927,97.663 R14.1
  Bottom Layer w0.25: C15.2 122.794,87.391 121.031,89.154 119.253,89.154 117.856,90.551 117.856,91.592 R14.1@123.927,97.663
V4_OUT: U1.9 U2.13 U2.14 | length 20.7
  Top Layer w0.25: U1.9 116.211,114.167 116.909,113.469 v1(116.909,111.221)
  Bottom Layer w0.25: v1(116.909,111.221) 116.909,98.375 117.494,97.79 U2.13 U2.14
VDDA: C16.1 C17.1 R9.1 U1.5 | length 12.5
  Top Layer w0.25: v1(110.871,109.474) 110.871,109.728 111.525,110.382 U1.5
  Bottom Layer w0.2: v1(110.871,109.474) 110.871,109.728 111.506,110.363 C16.1
  Bottom Layer w0.25: R9.1 107.002,110.168 110.177,110.168 v1(110.871,109.474) 111.506,108.839 C17.1@111.506,107.95
VLÝPO: *1.1 *1.2 LIPO+.1 | length 31.3
  Top Layer w2: LIPO+.1@72.898,79.883 72.898,84.963 74.295,84.963 76.708,82.55 78.105,82.55 80.518,84.963 LIPO+.1@80.518,79.883
  Bottom Layer w0.5: *1.1 *1.2
  Bottom Layer w2: *1.1 66.79,91.071 LIPO+.1@72.898,84.963
VLÝPO_OUT: "LIPO OUT +.1" K1.4 | length 40.3
  Bottom Layer w2: K1.4 63.011,131.572 71.628,131.572 71.628,136.652 72.771,136.652 75.438,133.985 76.581,133.985 79.248,136.652 79.248,131.572
VMAIN: *1.3 *1.4 fuse1.1 U3.2 | length 30.2
  Bottom Layer w0.5: *1.3 *1.4 ; fuse1.1 72.898,99.06 U3.2
  Bottom Layer w2: *1.4 69.596,99.326 fuse1.1
VMAIN_IN: C9.1 D1.2 D2.1 fuse1.2 K1.6 K1.8 U4.1 | length 78.1
  Top Layer w0.5: C9.1 77.089,118.612 U4.1
  Top Layer w2: K1.8 K1.8@61.849,98.686 ; K1.6 61.91,118.298 59.062,115.45 59.062,101.473 K1.8@61.849,98.686 ; fuse1.2 69.723,114.808 65.278,110.363 63.754,110.363 61.849,108.458 K1.8@61.849,98.686
  Bottom Layer w0.5: D1.2 76.676,111.347 U4.1
  Bottom Layer w2: D2.1 59.309,108.871 59.309,115.37 K1.6 ; K1.8@62.23,98.291 K1.8 ; D1.2 69.723,111.474 fuse1.2
pads on no net: C6. C7. C15. C15.5 C15.6 K1.2 K1.3 K1.5 K1.7 SW1.3 SW1.4 U1.6 U1.15 U1.18 U1.19 U1.20 U1.21 U1.22 U1.25 U1.29 U1.30 U3.1 U3.3 U3.5 U3.7 U3.8

## Polygon pours and split planes (outlines as drawn)
no net on Bottom Layer "GND PLANE" (solid, pour order 34): 51.435,141.224 150.241,141.224 150.241,76.962 51.562,76.962
GND on Bottom Layer "NONET_L04_P002" (solid, pour order 2): 50.8,141.859 150.876,141.859 150.876,76.2 50.8,76.2
GND on Bottom Layer "GND_L04_P022" (solid, pour order 22): 52.1,140.081 149.081,140.081 149.5,140.5 149.5,77.5 52.451,77.5 52.1,77.851
GND on Bottom Layer "GND PLANE" (solid, pour order 28): 52.705,140.5 149.5,140.5 149.5,78.232 52.832,78.232 52.1,77.5 52.1,77.978
no net on Top Layer "GND PLANE" (solid, pour order 32): 51.435,141.224 150.241,141.224 150.241,76.962 150.114,76.835 149.987,76.962 51.562,76.962
GND on Top Layer "NONET_L01_P018" (solid, pour order 18): 52.1,77.5 52.1,140.271 149.5,140.271 149.5,77.5
GND on Top Layer "GND PLANE" (solid, pour order 20): 52.1,140.208 52.163,140.271 149.5,140.271 149.5,77.978 149.373,78.105 52.1,78.105
GND on Top Layer "GND_L01_P030" (solid, pour order 30): 52.1,77.851 52.1,140.271 149.225,140.271 149.225,78.38 149.5,78.105 149.246,77.851

## Keep-outs
Keep-Out Layer:
  lines w0.3: 52.1,77.5 149.5,77.5 149.5,140.5 52.1,140.5 52.1,77.5

## Other copper
Top Layer:
  text "3.3, temp, gnd" at 131.318,80.01 h0.52 r90

## Silkscreen, mask and mechanical layers (free items; w line width, h text height)
Top Overlay:
  drawing of 5300 lines, arcs and shapes, not listed
  text "3.3V" at 112.649,128.651 h1
Drill Drawing:
  text ".LEGEND" at 155.88,81.28 h1.52
  text "Drill Drawing." at 155.88,78.74 h1.52

## Text inside footprints (layer, text, board x,y; h text height)
C6: Top Overlay "3" at 135.113,80.586 h1.27 r270; Top Overlay "1" at 135.163,89.836 h1.27 r270
C7: Top Overlay "1" at 141.732,120.222 h1.27 r90; Top Overlay "6" at 138.693,120.221 h1.27 r90
C15: Top Overlay "1" at 118.444,86.741 h1.27; Top Overlay "6" at 118.443,89.78 h1.27